# Altium PCB FMC_SDR_LFFE.PcbDoc (part 3 of 3)
Units mm, origin at the board's own origin, x right, y up, seen from the top; angles counter-clockwise.
Board outline 84.01 x 69 mm, 6 copper layers (Top, Int1 [GND], Int2 [shielded signals], Int3 [GND+PWR, Int4, Bottom), stack 1.59 mm thick; 335 components, 185 nets, 1107 pads, 416 vias.
Unrouted connection lines stored in the file: 497.
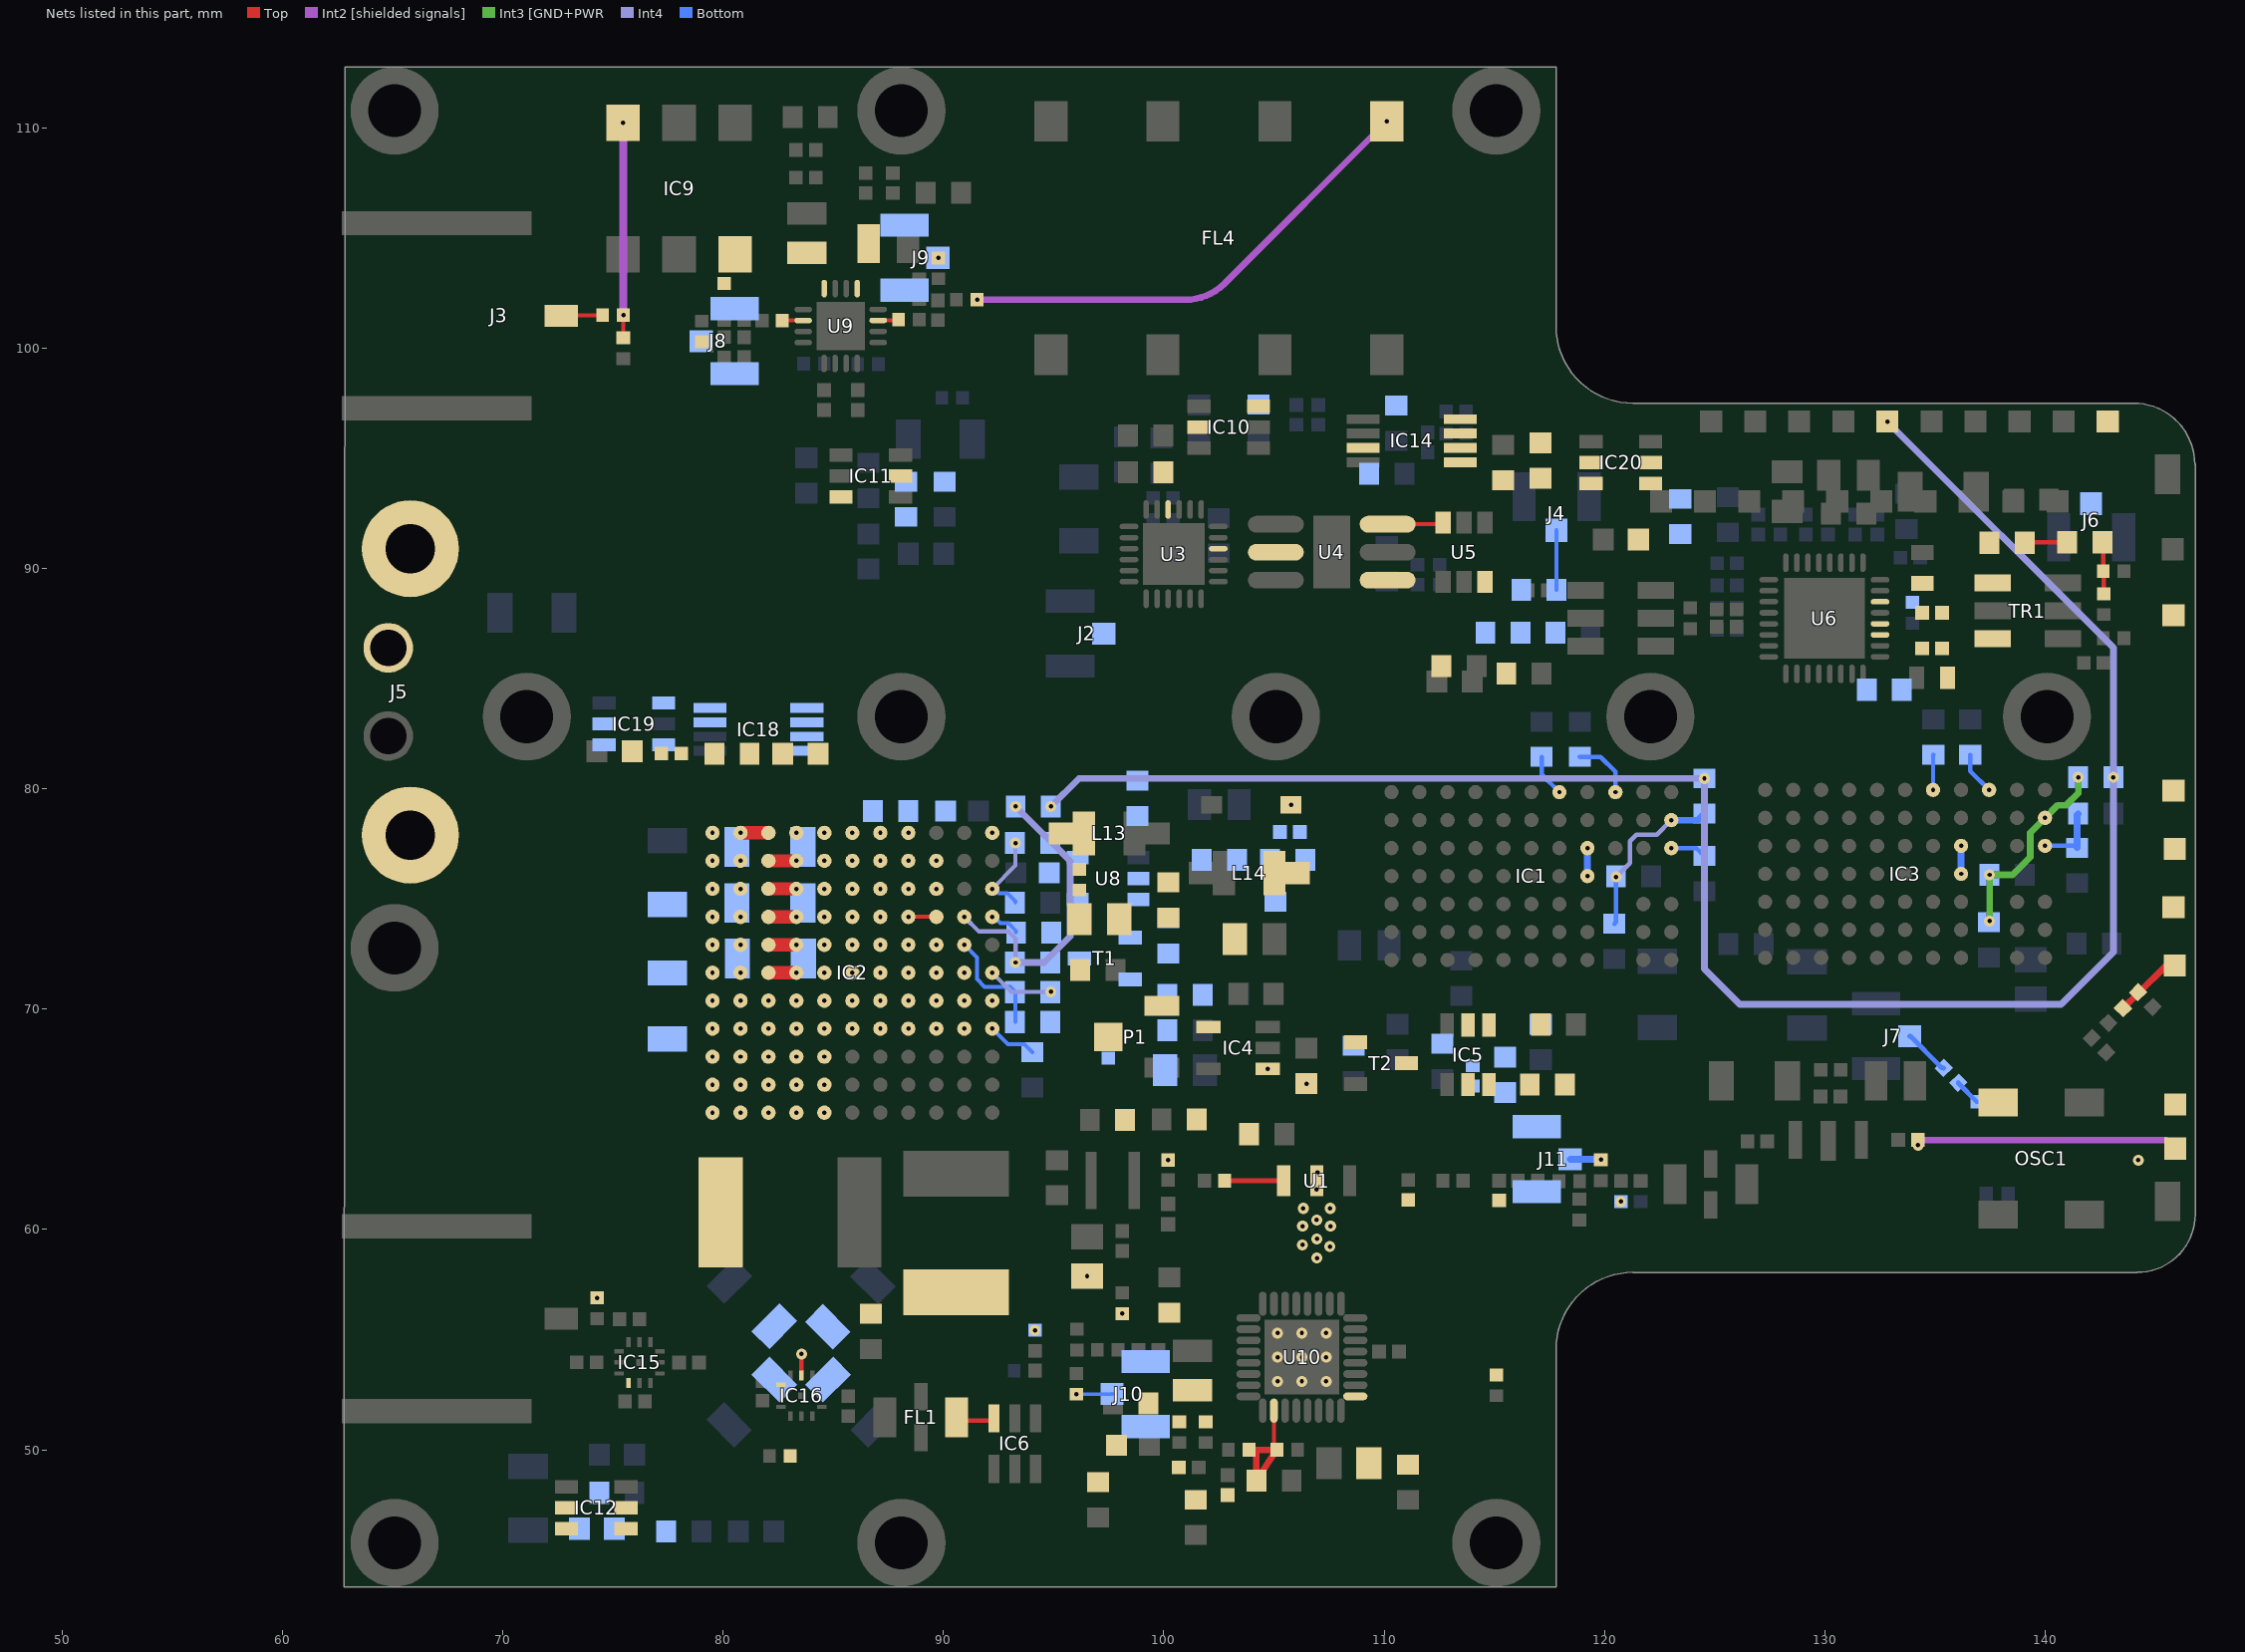
[diagram p7: the nets of this part, all layers, seen from the top]

## Via types
v1: diameter 0.5, hole 0.2, Top to Bottom, 412 vias
v2: diameter 0.6, hole 0.3, Top to Bottom, 4 vias

## Nets (pads, with @x,y where several pads share a name; then routed paths per layer and width w, separated by ;. In a path a pad name is that pad's centre, name@x,y a point inside that pad or via, vN(x,y) a via of type N, cw(c..) or ccw(c..) an arc to the next point about the centre after c; other vN are vias at no path point) (continued)
NetC186_1: C186.1 R109.1 R111.2 U8.3
NetC186_2: C186.2 L14.2 R104.1 R109.2
NetC188_1: C188.1 IC12.2
NetC188_2: C188.2 IC12.4 R107.1
NetC193_1: C193.1 IC5.2
NetC193_2: C193.2 C194.2 IC5.4 R115.1
NetC203_2: C203.2 C205.2 IC18.1 IC19.4
NetC207_1: C207.1 IC20.2
NetC207_2: C207.2 C208.2 IC20.4 R147.1
NetFL1_1: FL1.1 IC6.6 | length 1.8
  Top w0.187: FL1.1@90.594,51.475 90.744,51.325 92.2,51.325 IC6.6@92.296,51.421
NetFL4_1: FL4.1 R28.2 | length 21.8
  Int2 [shielded signals] w0.3: v1(91.525,102.2) 100.968,102.2 ccw(c100.968,104.74) 102.764,102.944 v1(110.12,110.3)
NetIC1_G7: IC1.G7 R9.1 | length 1.9
  Bottom w0.2: R9.1@117.15,81.45 117.15,80.657 v1(117.955,79.853)
NetIC1_H4: IC1.H4 IC1.H5 | length 1.3
  Bottom w0.3: v1(119.225,76.043) v1(119.225,77.313)
NetIC1_J7: IC1.J7 R8.1 | length 2.8
  Bottom w0.2: R8.1@118.875,81.45 119.825,81.45 120.495,80.78 v1(120.495,79.853)
NetIC1_L5: IC1.L5 R20.1 | length 1.7
  Bottom w0.2: v1(123.035,77.313) 123.047,77.3 124.185,77.3 R20.1@124.535,76.95
NetIC1_L6: IC1.L6 R5.1 R21.2 R52.2 | length 8
  Int4 w0.2: v1(120.525,76) 121.15,76.625 121.15,77.625 121.45,77.925 122.377,77.925 v1(123.035,78.583)
  Bottom w0.2: R5.1@120.45,73.875 120.525,73.95 v1(120.525,76) R21.2@120.525,76.025
  Bottom w0.3: v1(123.035,78.583) 124.243,78.583 R52.2@124.535,78.875
NetIC2_D1: IC2.D1 R12.1 | length 2.3
  Bottom w0.18: v1(92.215,69.114) 92.925,68.404 93.665,68.404 R12.1@94.025,68.044
NetIC2_F1: IC2.F1 R17.1 | length 3.1
  Int4 w0.18: v1(92.215,71.654) 93.075,70.794 v1(94.871,70.794)
  Bottom w0.18: v1(94.871,70.794) R17.1@94.946,70.719
NetIC2_G2: IC2.G2 R17.2 R18.2 | length 5.2
  Bottom w0.18: v1(90.945,72.924) 91.521,72.348 91.521,71.369 91.871,71.019 93.046,71.019 93.271,70.794 R18.2@93.271,69.419
NetIC2_H1: IC2.H1 R14.2 | length 1.4
  Bottom w0.18: v1(92.215,74.194) 92.301,74.194 92.591,73.904 92.936,73.904 93.296,73.544 R14.2@93.296,73.494
NetIC2_H2: IC2.H2 R16.2 R51.2 | length 13.8
  Int4 w0.2: v1(90.945,74.194) 91.614,73.525 92.95,73.525 93.271,73.204 v1(93.271,72.12)
  Int4 w0.3: v1(93.271,72.12) 94.563,72.12 95.75,73.307 95.75,76.725 v1(93.275,79.2)
  Bottom w0.18: R16.2@93.246,72.144 v1(93.271,72.12)
  Bottom w0.3: R51.2@93.275,79.15 v1(93.275,79.2) R51.2@93.283,79.2
NetIC2_J1: IC2.J1 R13.1 R15.2 | length 3.9
  Int4 w0.18: v1(92.215,75.464) 93.271,76.52 v1(93.271,77.544)
  Bottom w0.18: v1(92.215,75.464) 92.301,75.464 92.511,75.254 92.911,75.254 93.271,74.894 R13.1@93.271,74.844 ; v1(93.271,77.544) R15.2@93.29,77.563
NetIC2_L4: IC2.L4 R150.2
  other v1: 88.405,78.004
NetIC3_G7: IC3.G7 R11.1 | length 1.6
  Bottom w0.2: v1(134.915,79.953) 134.915,81.54 R11.1@134.925,81.55
NetIC3_H4: IC3.H4 IC3.H5 | length 1.3
  Bottom w0.3: v1(136.185,76.143) v1(136.185,77.413)
NetIC3_J7: IC3.J7 R10.1 | length 2
  Bottom w0.2: R10.1@136.6,81.55 136.6,80.807 v1(137.455,79.953)
NetIC3_L5: IC3.L5 R6.1 R129.2 | length 3.1
  Bottom w0.2: v1(139.995,77.413) 141.362,77.413 R6.1@141.45,77.325
  Bottom w0.3: R6.1@141.45,77.325 141.45,78.825 R129.2@141.5,78.875
NetIC3_L6: IC3.L6 R7.1 R19.2 R50.2 | length 9.1
  Int3 [GND+PWR w0.3: v1(137.475,74) v1(137.475,76.1) 138.525,76.1 139.325,76.9 139.325,78.013 v1(139.995,78.683) 140.573,79.26 140.96,79.26 141.5,79.8 v1(141.5,80.525)
  Bottom w0.2: R7.1@137.45,73.95 R7.1@137.475,73.975
NetIC4_4: IC4.4 P1.3 R22.1 R24.2
NetIC5_3: IC5.3 R143.1 T2.3
NetIC5_5: IC5.5 R113.2 R143.2
NetIC9_1: IC9.1 R46.1 R47.2 | length 9.8
  Top w0.187: R46.1@75.47,100.47 v1(75.47,101.5)
  Int2 [shielded signals] w0.357: v1(75.46,110.235) 75.465,110.23 75.465,101.505 v1(75.47,101.5)
NetIC9_4: IC9.4 R27.1 | length 0.2
  Top w0.187: R27.1@80.045,102.945 ccw(c78.85,104.14) R27.1@80.179,103.097
NetIC10_3: IC10.3 R130.2 R131.2
NetIC10_5: IC10.5 R92.2 R130.1
NetIC11_3: IC11.3 R134.2
NetIC11_5: IC11.5 R100.2 R134.1 | length 0.1
  Top w0.254: IC11.5@88.05,94.204 cw(c88.12,94.204) IC11.5@88.12,94.274
NetIC12_3: IC12.3 IC12.5 R106.2
NetIC14_7: IC14.7 R133.1
NetIC14_8: IC14.8 R132.1
NetIC16_5: IC16.5 R66.1 R67.1 R68.1 R69.1 | length 1
  Top w0.187: IC16.5@83.55,53.375 83.55,54.353 v1(83.554,54.353)
NetIC18_3: IC18.3 R142.1
NetIC20_3: IC20.3 R148.2 R149.2
NetIC20_5: IC20.5 R146.2 R148.1
NetJ3_1: J3.1 R47.1 | length 1.9
  Top w0.187: J3.1@72.65,101.475 72.675,101.5 R47.1@74.53,101.5
NetJ4_1: J4.1 R87.1 | length 2.7
  Bottom w0.187: R87.1@117.828,89.04 J4.1@117.828,91.736
NetJ6_1: J6.1 R90.1
NetJ7_1: J7.1 R1.1 | length 2.1
  Bottom w0.22: J7.1@133.85,68.775 133.875,68.775 135.228,67.422 135.228,67.409 135.222,67.403 ccw(c135.393,67.573) R1.1@135.393,67.332
NetJ8_1: J8.1 R25.1
NetJ9_1: J9.1 R26.1 | length 0
  Top w0.3: v1(89.762,104.108) R26.1@89.775,104.095
  Bottom w0.3: J9.1@89.75,104.108 v1(89.762,104.108)
NetJ10_1: J10.1 R30.1 | length 1.6
  Bottom w0.18: v1(96.031,52.525) 97.64,52.525 J10.1@97.65,52.535
NetJ11_1: J11.1 R29.1 | length 1.4
  Bottom w0.3: J11.1@118.445,63.189 118.449,63.184 v1(119.836,63.184)
NetL2_1: L2.1 U1.3 | length 2.7
  Top w0.22: L2.1@102.76,62.214 U1.3@105.441,62.214
NetL3_2: L3.2 U9.16
NetL4_2: L4.2 U9.13
NetL13_1: L13.1 R137.2 R139.2 U8.5
NetL17_2: L17.2 U9.2 | length 1
  Top w0.187: L17.2@82.68,101.26 U9.2@83.634,101.26
NetL21_1: L21.1 R77.1 R80.2 R81.2 | length 1.2
  Top w0.187: L21.1@101.3,52.71 L21.1@102.104,52.71 ; R80.2@101.9,51.27 101.9,51.45 R80.2@102.104,51.45
NetOSC1_3: OSC1.3 R2.1
NetP1_2: P1.2 R23.2
NetR33_2: R33.2 R64.2
  other v1: 74.275,56.895
NetR35_2: R35.2 R38.2 R89.1 | length 2.4
  Top w0.187: R89.1@142.597,91.191 142.64,91.149 R38.2@142.64,89.886 142.66,89.866 R35.2@142.66,88.856
NetR58_1: R58.1 U9.11 | length 0.9
  Top w0.187: U9.11@87.034,101.26 87.863,101.26 ccw(c87.863,101.397) R58.1@87.96,101.3
NetR70_1: R70.1 U5.6
NetR70_2: R70.2 R84.1 R87.2
NetR73_2: R73.2 R78.2 R79.2 U10.26 | length 6.1
  Top w0.187: R79.2@104.996,50 U10.26@104.996,51.78
  Top w0.3: R78.2@103.87,50 104.2,50 ; 104.2,50 R73.2@104.2,48.6 R79.2@105.13,50 104.996,50 104.2,50
NetR94_2: R94.2 R141.2 T1.1
NetR139_1: R139.1 T1.3 U8.4
NetR144_2: R144.2 R145.2 T2.1
NetU3_16: U3.16 U4.2
NetU4_6: U4.6 U5.3 | length 2.5
  Top w0.187: U4.6@110.161,92.014 112.591,92.014 U5.3@112.671,92.094
PA_GND: C4.1 C5.1 C6.1 C7.1 C8.1 C9.1 C11.1 C12.1 C19.1 C20.1 C21.1 C163.1 C164.1 C165.1 C166.1 C168.1 C182.1 C183.1 C185.1 C187.1 C203.1 C205.1 D1.1 IC2.A7 IC2.A8 IC2.A9 IC2.A10 IC2.A11 IC2.B7 IC2.B8 IC2.B9 IC2.B10 IC2.B11 IC2.C7 IC2.C8 IC2.C9 IC2.C10 IC2.C11 IC2.D2 IC2.D3 IC2.D4 IC2.D5 IC2.D6 IC2.D7 IC2.D8 IC2.D9 IC2.D10 IC2.D11 IC2.E1 IC2.E2 IC2.E3 IC2.E4 IC2.E5 IC2.E6 IC2.E7 IC2.E8 IC2.E9 IC2.E10 IC2.E11 IC2.F2 IC2.F3 IC2.F4 IC2.F5 IC2.F6 IC2.F7 IC2.F8 IC2.F9 IC2.G3 IC2.G4 IC2.G5 IC2.G6 IC2.G7 IC2.G8 IC2.G9 IC2.H3 IC2.H4 IC2.H5 IC2.H6 IC2.H7 IC2.H8 IC2.H9 IC2.J3 IC2.J4 IC2.J5 IC2.J6 IC2.J7 IC2.J8 IC2.J9 IC2.K3 IC2.K4 IC2.K5 IC2.K6 IC2.K7 IC2.K8 IC2.K9 IC2.L1 IC2.L5 IC2.L6 IC2.L7 IC2.L8 IC4.1 IC18.4 IC19.1 J5.B J5.M1 J5.M2 J8.2 J9.2 J10.2 J11.2 R14.1 R15.1 R16.1 R18.1 R23.1 R24.1 R32.1 R42.2 R45.2 R83.1 R111.1 R114.2 R136.2 R138.2 R140.2 R141.1 R142.2 R151.2 R152.2 R153.2 R154.2 T1.2 U1.2 U8.2 U10.1 | length 7.6
  Top w0.18: v1(88.405,74.194) IC2.H3@89.675,74.194
  Top w0.6: IC2.F9@82.055,71.654 v1(83.325,71.654) ; IC2.G9@82.055,72.924 v1(83.325,72.924) ; IC2.H9@82.055,74.194 v1(83.325,74.194) ; IC2.J9@82.055,75.464 v1(83.325,75.464) ; IC2.K9@82.055,76.734 v1(83.325,76.734)
  other v1: 105.166,53.105 106.266,53.105 107.366,53.105 105.166,54.205 106.266,54.205 107.366,54.205 105.166,55.305 106.266,55.305 107.366,55.305 94.15,55.427 98.117,56.18 96.517,57.88 106.95,58.703 107.536,59.225 106.294,59.3 106.95,59.575 106.3,60.15 107.566,60.15 106.941,60.432 106.325,60.96 107.55,60.96 120.745,61.269 106.941,61.814 106.975,62.6 100.2,63.15 79.515,65.304 80.785,65.304 82.055,65.304 83.325,65.304 84.595,65.304 79.515,66.574 80.785,66.574 82.055,66.574 83.325,66.574 84.595,66.574 106.471,66.619 104.721,67.294 79.515,67.844 80.785,67.844 82.055,67.844 83.325,67.844 84.595,67.844 79.515,69.114 80.785,69.114 82.055,69.114 83.325,69.114 84.595,69.114 85.865,69.114 87.135,69.114 88.405,69.114 89.675,69.114 90.945,69.114 79.515,70.384 80.785,70.384 82.055,70.384 83.325,70.384 84.595,70.384 85.865,70.384 87.135,70.384 88.405,70.384 89.675,70.384 90.945,70.384 92.215,70.384 84.595,71.654 85.865,71.654 87.135,71.654 88.405,71.654 89.675,71.654 90.945,71.654 84.595,72.924 85.865,72.924 87.135,72.924 88.405,72.924 89.675,72.924 84.595,74.194 85.865,74.194 87.135,74.194 84.595,75.464 85.865,75.464 87.135,75.464 88.405,75.464 89.675,75.464 84.595,76.734 85.865,76.734 87.135,76.734 88.405,76.734 89.675,76.734 83.325,78.004 84.595,78.004 85.865,78.004 87.135,78.004 92.215,78.004 105.774,79.277
PA_MONITOR: BSC3.1 R41.2 R44.2 | length 3.2
  Top w0.3: R41.2@143.532,70.042 R44.2@144.243,70.742 ; R44.2@144.218,70.767 R44.2@144.243,70.742 ; BSC3.1@145.875,71.978 145.873,71.98 145.5,71.98 R44.2@144.243,70.742
PA_PS_IN: C4.2 C5.2 C6.2 C7.2 C169.2 C185.2 IC2.F10 IC2.F11 IC2.G10 IC2.G11 IC2.H10 IC2.H11 IC2.J10 IC2.J11 IC2.K10 IC2.K11 IC2.L9 IC2.L10 IC2.L11 IC19.3 IC19.5 R103.2 R116.2 R137.1 | length 1.3
  Top w0.6: v1(80.785,78.004) IC2.L9@82.055,78.004
  other v1: 79.515,71.654 80.785,71.654 79.515,72.924 80.785,72.924 79.515,74.194 80.785,74.194 79.515,75.464 80.785,75.464 79.515,76.734 80.785,76.734 79.515,78.004
PLLout_N: C104.1 L11.1 U6.12
PLLout_P: C107.1 L12.1 U6.11
RFOUTB: R4.1 U6.14
RX_LO: BSC7.1 U4.4
SYNC_DCDC: BSC21.1 R50.1 R51.1 R52.1 | length 87.4
  Top w0.3: v1(132.84,96.665) BSC21.1@132.84,96.672
  Int4 w0.3: v1(94.875,79.2) 96.15,80.475 v1(124.535,80.475) 124.535,71.831 126.145,70.222 140.722,70.222 143.1,72.6 143.1,86.405 v1(132.84,96.665)
  Bottom w0.3: v1(94.875,79.2) R51.1@94.875,79.25
  other v1: 143.1,80.525
TX_IN: BSC1.1 C177.1 | length 11.4
  Int2 [shielded signals] w0.3: v1(134.232,63.828) 134.232,63.881 134.407,64.056 145.477,64.056 145.488,64.045
  other v1: 144.225,63.15
TX_LO: BSC9.1 R89.2 R90.2 | length 1.9
  Top w0.187: R90.2@139.072,91.173 139.091,91.191 R89.2@140.997,91.191
TX_SHDN: BSC16.1 IC14.3 R144.1
TX_SHDN_ISO: IC18.2 R94.1 R150.1
TX_SHDND_N: IC14.5 IC18.8
TX_SHDND_P: IC14.6 IC18.7
TXLO_N: C104.2 TR1.6
TXLO_P: C107.2 TR1.4
TXNRX: BSC4.1 IC15.7 IC16.7
VCO_Vtune: BSC14.1 J2.1 U3.22
XTAL_OUT: BSC2.1 R1.2 R2.2 | length 1.2
  Bottom w0.22: R1.2@136.057,66.668 ccw(c136.117,66.668) 136.075,66.625 R2.2@136.9,65.8
pads on no net: B5.1 B8.1 B9.1 B10.1 B11.1 B13.1 B15.1 B16.1 B28.1 B29.1 B30.1 B31.1 BSC8_1.1 BSC10_1.1 BSC13_1.1 FL4.3 FL4.4 FL4.5 FL4.6 FL4.7 IC1.H7 IC1.K3 IC1.K7 IC1.L3 IC2.G1 IC2.K2 IC2.L2 IC2.L3 IC3.H7 IC3.K3 IC3.K7 IC3.L3 IC5.6 IC10.6 IC11.6 IC12.6 IC14.2 IC18.5 IC18.6 IC19.2 IC19.6 IC20.6 OSC1.1 U3.1 U3.2 U3.3 U3.4 U3.5 U3.6 U3.7 U3.8 U3.9 U3.10 U3.11 U3.12 U3.13 U3.14 U3.17 U3.18 U3.19 U3.21 U3.23 U3.24 U3.25 U4.7 U5.1 U5.4 U6.22 U9.3 U9.4 U9.6 U9.7 U9.9 U9.10 U9.12 U9.14 U9.15 U9.17 U10.2 U10.3 U10.4 U10.6 U10.7 U10.8 U10.9 U10.10 U10.11 U10.12 U10.13 U10.14 U10.15 U10.16 U10.17 U10.18 U10.19 U10.21 U10.22 U10.23 U10.24 U10.25 U10.27 U10.28 U10.29 U10.30 U10.31 U10.32 U10.33
copper on no net:
  other v1: 92.215,72.924 121.765,74.773 123.035,74.773 138.725,74.873 139.995,74.873 90.945,76.734 89.675,78.004 90.945,78.004 119.225,79.853 121.765,79.853 136.185,79.953 138.725,79.953 99.896,90.107 100.996,90.107 99.896,91.207 100.996,91.207

## Polygon pours and split planes (outlines as drawn)
GND on Int3 [GND+PWR "L2GND" (hatched 90Degree grid 0.5 track 0.2, pour order 85): 146.438,94.823 ccw(c143.872,94.823) 145.686,96.639 ccw(c143.891,94.843) 143.89,97.382 120.52,97.382 cw(c120.52,99.922) 118.724,98.126 118.169,98.681 cw(c119.965,100.477) 117.425,100.477 117.425,112.627 cw(c117.453,112.655) 117.413,112.655 117.413,112.874 62.738,112.876 62.7,43.667 117.381,43.667 117.381,54.84 cw(c120.497,54.84) 118.293,57.043 118.565,57.315 cw(c120.702,55.178) 120.702,58.2 143.873,58.2 ccw(c143.873,60.74) 145.669,58.944 145.7,58.975 ccw(c143.918,60.758) 146.438,60.758
PA_GND on Int3 [GND+PWR "Int1 [GND]-PA_GND" (hatched 45Degree grid 0.508 track 0.203, pour order 83): 77.145,58.101 ccw(c79.685,58.101) 79.685,55.561 91.264,55.561 cw(c91.264,51.13) 95.695,51.13 95.695,48.985 ccw(c98.235,48.985) 98.235,46.445 109.31,46.445 ccw(c109.31,48.985) 111.85,48.985 111.85,51.385 cw(c114.39,51.385) 114.39,53.925 114.722,53.925 ccw(c114.722,55.608) 116.405,55.608 116.405,62.81 ccw(c115.315,62.81) 115.315,63.9 111.015,63.9 cw(c111.015,66.44) 108.475,66.44 108.475,78.035 ccw(c105.935,78.035) 105.935,80.575 79.685,80.575 ccw(c79.685,78.035) 77.145,78.035
NetC3_2 on Int3 [GND+PWR "Int3 [GND+PWR -FE_5V5" (solid, pour order 81): 110,76.414 110,71.744 114.5,71.744 114.5,76.414
NetC1_2 on Int3 [GND+PWR "Int3 [GND+PWR -FE_5V5 1" (solid, pour order 77): 121.5,73.927 121.5,71.925 126.709,71.925 126.709,73.927
FE_5V5 on Int3 [GND+PWR "Int3 [GND+PWR -FE_5V5 2" (solid, pour order 73): 126.945,76.5 126.945,72 131.5,72 131.5,76.5
PA_PS_IN on Int3 [GND+PWR "Bottom-No Net" (solid, pour order 71): 79.225,71.312 81.375,71.312 81.375,78.301 79.225,78.301
FE_PA_VDD on Int3 [GND+PWR "FE_PA_VDD_L04_P059" (solid, pour order 59): 85.575,68.176 85.575,64.926 92.575,64.926 92.575,68.176
GND on Int4 "L2GND" (hatched 45Degree grid 0.5 track 0.2, pour order 97): 146.438,94.698 ccw(c143.872,94.698) 145.686,96.514 ccw(c143.891,94.718) 143.89,97.257 120.52,97.257 cw(c120.52,99.797) 118.724,98.001 118.169,98.556 cw(c119.965,100.352) 117.425,100.352 117.425,112.502 cw(c117.453,112.53) 117.413,112.53 117.413,112.749 62.738,112.751 62.7,43.542 117.381,43.542 117.381,54.715 cw(c120.497,54.715) 118.293,56.918 118.565,57.19 cw(c120.702,55.053) 120.702,58.075 143.873,58.075 ccw(c143.873,60.615) 145.669,58.819 145.7,58.85 ccw(c143.918,60.633) 146.438,60.633
PA_GND on Int4 "Int4-PA_GND" (hatched 90Degree grid 0.508 track 0.203, pour order 87): 62.75,68.15 68.485,68.15 cw(c68.485,59.7) 76.935,59.7 ccw(c81.135,59.7) 81.135,55.5 91.585,55.5 cw(c91.586,51.485) 95.6,51.485 95.6,48.99 ccw(c98.14,48.99) 98.14,46.45 109.285,46.45 ccw(c109.285,48.99) 111.825,48.99 111.825,51.45 cw(c114.365,51.45) 114.365,53.99 115.088,53.99 ccw(c115.088,55.277) 116.375,55.277 116.375,62.175 ccw(c114.522,62.175) 114.522,64.028 111.107,64.028 cw(c111.107,66.568) 108.567,66.568 108.567,78.207 ccw(c106.027,78.207) 106.027,80.747 84.965,80.747 cw(c83.321,88.194) 75.875,86.55 ccw(c66.145,85.938) 65.533,95.667 62.75,95.667
NetC10_2 on Int4 "Int3 [GND+PWR -NetC10_2" (solid, pour order 49): 138.475,71.535 139.991,71.535 ccw(c139.991,72.22) 140.675,72.22 140.675,76.24 ccw(c138.135,76.24) 139.931,78.036 135.293,82.674 ccw(c134.988,82.369) 134.988,82.8 134.706,82.8 cw(c134.706,83.824) 133.981,83.1 ccw(c133.619,82.738) 133.619,83.25 133.231,83.25 ccw(c133.231,82.994) 133.05,83.175 132.694,82.819 ccw(c133.163,82.35) 132.5,82.35 ccw(c133.103,82.35) 132.676,81.924 132.958,81.642 cw(c132.315,81) 133.224,81 133.224,80.821 ccw(c135.505,80.821) 133.892,79.208 136.444,76.656 cw(c134.859,75.072) 137.1,75.072 137.1,72.91 ccw(c138.475,72.91)
EXTERNAL_PS on Int4 "Int3 [GND+PWR -No Net" (solid, pour order 55): 64.534,81.347 66.622,81.347 ccw(c66.622,83.65) 68.925,83.65 cw(c70.675,83.65) 70.675,85.4 ccw(c70.675,86.221) 71.496,86.221 71.496,90.827 ccw(c70.609,90.623) 70.4,91.509 69.49,91.509 ccw(c69.312,90.583) 68.4,90.827 cw(c66.329,90.623) 66.533,88.552 ccw(c66.972,87.561) 65.96,87.173 65.96,86.56 cw(c64.6,86.56) 64.6,85.2 ccw(c64.6,84.224) 63.624,84.224 63.624,82.341 ccw(c64.675,82.341) 64.675,81.29
NetC10_2 on Int4 "Int3 [GND+PWR -No Net 2" (solid, pour order 53): 72.725,90.159 77.204,90.159 cw(c77.204,88.336) 78.493,89.625 78.8,89.318 ccw(c80.05,90.567) 80.05,88.8 cw(c79.567,88.317) 80.25,88.317 80.25,87.716 cw(c79.909,87.716) 80.15,87.475 79.934,87.259 cw(c79.55,87.643) 79.55,87.1 ccw(c79.55,85.754) 78.598,86.706 78.01,86.117 cw(c77.365,86.762) 77.365,85.85 72.623,85.85 cw(c72.623,85.966) 72.542,85.884 cw(c72.542,86.225) 72.2,86.225 72.2,89.634 cw(c72.725,89.634)
GND on Int2 [shielded signals] "L2GND" (hatched 45Degree grid 0.5 track 0.2, pour order 107): 146.313,94.948 ccw(c143.747,94.948) 145.561,96.764 ccw(c143.766,94.968) 143.765,97.507 120.395,97.507 cw(c120.395,100.047) 118.599,98.251 118.044,98.806 cw(c119.84,100.602) 117.3,100.602 117.3,112.752 cw(c117.328,112.78) 117.288,112.78 117.288,112.999 62.613,113.001 62.575,43.792 117.256,43.792 117.256,54.965 cw(c120.372,54.965) 118.168,57.168 118.44,57.44 cw(c120.577,55.303) 120.577,58.325 143.748,58.325 ccw(c143.748,60.865) 145.544,59.069 145.575,59.1 ccw(c143.793,60.883) 146.313,60.883
PA_GND on Int2 [shielded signals] "Int1 [GND]-PA_GND" (hatched 90Degree grid 0.508 track 0.203, pour order 105): 77.07,58.101 ccw(c79.61,58.101) 79.61,55.561 91.229,55.561 cw(c91.229,51.17) 95.62,51.17 95.62,48.985 ccw(c98.16,48.985) 98.16,46.445 109.235,46.445 ccw(c109.235,48.985) 111.775,48.985 111.775,51.385 cw(c114.315,51.385) 114.315,53.925 114.647,53.925 ccw(c114.647,55.608) 116.33,55.608 116.33,62.81 ccw(c115.24,62.81) 115.24,63.9 110.94,63.9 cw(c110.94,66.44) 108.4,66.44 108.4,78.035 ccw(c105.86,78.035) 105.86,80.575 79.61,80.575 ccw(c79.61,78.035) 77.07,78.035
GND on Int1 [GND] "L2GND" (hatched 90Degree grid 0.5 track 0.2, pour order 103): 146.563,94.848 ccw(c143.997,94.848) 145.811,96.664 ccw(c144.016,94.868) 144.015,97.407 120.645,97.407 cw(c120.645,99.947) 118.849,98.151 118.294,98.706 cw(c120.09,100.502) 117.55,100.502 117.55,112.652 cw(c117.578,112.68) 117.538,112.68 117.538,112.899 62.863,112.901 62.825,43.692 117.506,43.692 117.506,54.865 cw(c120.622,54.865) 118.418,57.068 118.69,57.34 cw(c120.827,55.203) 120.827,58.225 143.998,58.225 ccw(c143.998,60.765) 145.794,58.969 145.825,59 ccw(c144.043,60.783) 146.563,60.783
PA_GND on Int1 [GND] "Int1 [GND]-PA_GND" (hatched 45Degree grid 0.508 track 0.203, pour order 101): 76.995,58.101 ccw(c79.535,58.101) 79.535,55.561 91.443,55.561 cw(c91.443,51.458) 95.545,51.458 95.545,48.985 ccw(c98.085,48.985) 98.085,46.445 109.16,46.445 ccw(c109.16,48.985) 111.7,48.985 111.7,51.385 cw(c114.24,51.385) 114.24,53.925 114.572,53.925 ccw(c114.572,55.608) 116.255,55.608 116.255,62.81 ccw(c115.165,62.81) 115.165,63.9 110.865,63.9 cw(c110.865,66.44) 108.325,66.44 108.325,78.035 ccw(c105.785,78.035) 105.785,80.575 79.535,80.575 ccw(c79.535,78.035) 76.995,78.035
GND on Bottom "Bottom-GND" (solid, pour order 123): 115.886,43.775 117.9,43.775 117.9,54.585 cw(c121.265,54.585) 121.265,57.95 144.36,57.95 ccw(c144.36,60.49) 146.9,60.49 146.9,95.06 ccw(c144.36,95.06) 144.36,97.6 121.286,97.6 cw(c121.286,100.986) 117.9,100.986 117.9,112.776 116.228,112.776 116.228,95.934 143.291,95.934 cw(c143.291,94.05) 145.175,94.05 145.175,61.575 cw(c143.45,61.575) 143.45,59.85 118.422,59.85 ccw(c118.422,57.338) 118.313,59.848 115.875,59.848 115.875,56.246

## Keep-outs
Keep-Out Layer:
  lines w0.2: 121.3,58.05 144.18,58.05 ; 121.3,58.055 ccw(c121.3,54.555) 117.8,54.555 117.8,43.775 62.8,43.775 62.838,112.776 117.8,112.776 117.8,101.005 ccw(c121.3,101.005) 121.3,97.505 ; 121.3,97.507 144.019,97.507 cw(c144.019,94.733) 146.793,94.733 ; 144.18,58.055 ccw(c144.18,60.688) 146.813,60.688 146.813,94.733

## Other copper
Top:
  rectangle: 63,106.874 67.701,112.78
  rectangle: 62.838,43.78 66.838,50.765
  rectangle: 72.35,82.788 145.438,83.688
  region: 67.674,111.865 114.429,111.865 cw(c114.429,110.238) 115.58,111.388 cw(c114.599,110.407) 115.986,110.407 115.986,104.23 116.886,104.231 116.886,111.32 ccw(c115.46,111.32) 116.469,112.328 ccw(c115.426,111.286) 115.426,112.76 67.676,112.76
  region: 115.889,51.521 115.889,46.353 cw(c114.263,46.353) 115.413,45.202 cw(c114.432,46.183) 114.432,44.796 73.542,44.796 73.543,43.896 115.345,43.896 ccw(c115.345,45.322) 116.353,44.313 ccw(c115.31,45.356) 116.785,45.356 116.785,51.52
  region: 73.764,44.771 65.313,44.771 cw(c65.313,46.397) 64.163,45.247 cw(c65.144,46.228) 63.756,46.228 63.756,50.722 62.856,50.72 62.856,45.315 ccw(c64.282,45.315) 63.274,44.307 ccw(c64.316,45.35) 64.316,43.875 73.762,43.875
Bottom:
  region net NetIC16_5: 83.578,52.682 85.263,54.426 83.447,56.18 81.762,54.436

## Silkscreen, mask and mechanical layers (free items; w line width, h text height)
Top Solder:
  rectangle: 143.025,60.389 146.925,95.389
  rectangle: 117.743,57.875 144.475,97.675
  rectangle: 62.738,43.7 118.009,112.876
  region: 117.925,57.95 121.258,57.95 ccw(c121.258,54.671) 118.94,56.99 118.887,56.937 ccw(c121.21,54.614) 117.925,54.614
  region: 117.9,97.625 121.233,97.625 cw(c121.233,100.904) 118.915,98.585 118.894,98.606 cw(c121.294,101.006) 117.9,101.006
  region: 146.925,95.175 ccw(c144.752,95.175) 146.289,96.711 145.95,97.05 ccw(c144.62,95.72) 144.62,97.601 143.825,97.601 143.825,95.175
  region: 144.325,57.975 ccw(c144.325,60.51) 146.117,58.717 146.35,58.95 ccw(c144.962,60.338) 146.925,60.338 146.925,61.225 144.325,61.225
  region: 146.825,95.1
  region: 85.925,91.35
Bottom Solder:
  rectangle: 62.738,43.675 118.009,112.851
  rectangle: 117.743,57.85 144.475,97.65
  rectangle: 143.025,60.364 146.925,95.364
  region: 117.925,57.925 121.258,57.925 ccw(c121.258,54.646) 118.94,56.964 118.887,56.912 ccw(c121.21,54.589) 117.925,54.589
  region: 117.9,97.6 121.233,97.6 cw(c121.233,100.879) 118.915,98.56 118.894,98.581 cw(c121.294,100.981) 117.9,100.981
  region: 146.925,95.15 ccw(c144.752,95.15) 146.289,96.686 145.95,97.025 ccw(c144.62,95.695) 144.62,97.576 143.825,97.576 143.825,95.15
  region: 144.325,57.95 ccw(c144.325,60.485) 146.117,58.692 146.35,58.925 ccw(c144.962,60.313) 146.925,60.313 146.925,61.2 144.325,61.2
  region: 146.825,95.075
  region: 85.925,91.325
  region: 14.5,100
Mechanical 1:
  lines w0.1: 62.838,43.78 62.838,112.78
  lines w0.254: 117.825,43.78 117.825,54.47 ; 117.825,54.52 cw(c121.36,54.52) 121.36,58.055 144.525,58.055 ; 117.825,100.872 117.825,112.73 ; 117.825,101.023 ccw(c121.325,101.023) 121.325,97.523 ; 117.825,112.78 62.838,112.78 62.838,43.78 117.85,43.78 ; 121.174,97.523 144.325,97.523 cw(c144.325,95.023) 146.825,95.023 ; 144.325,58.055 ccw(c144.325,60.555) 146.825,60.555 ; 146.825,60.505 146.825,95.15

## Text inside footprints (layer, text, board x,y; h text height)
FL1: Drill Drawing "Filled and" at 91.369,51.275 h0.5 r180; Drill Drawing "capped via" at 91.419,52.025 h0.5 r180
FL2: Drill Drawing "Filled and" at 127.225,61.85 h0.5 r180; Drill Drawing "capped via" at 127.275,62.6 h0.5 r180
IC1: Mechanical 14 "6" at 108.811,78.456 h0.4 r90; Mechanical 14 "5" at 108.811,77.186 h0.4 r90; Mechanical 14 "4" at 108.811,75.916 h0.4 r90; Mechanical 14 "7" at 108.811,79.726 h0.4 r90; Mechanical 14 "3" at 108.811,74.646 h0.4 r90; Mechanical 14 "2" at 108.811,73.376 h0.4 r90; Mechanical 14 "1" at 108.811,72.106 h0.4 r90; Mechanical 14 "J" at 120.622,70.963 h0.4 r90; Mechanical 14 "A" at 110.462,70.963 h0.4 r90; Mechanical 14 "B" at 111.732,70.963 h0.4 r90; Mechanical 14 "C" at 113.002,70.963 h0.4 r90; Mechanical 14 "D" at 114.272,70.963 h0.4 r90; Mechanical 14 "E" at 115.542,70.963 h0.4 r90; Mechanical 14 "F" at 116.812,70.963 h0.4 r90; Mechanical 14 "G" at 118.082,70.963 h0.4 r90; Mechanical 14 "H" at 119.352,70.963 h0.4 r90; Mechanical 14 "K" at 121.892,70.963 h0.4 r90; Mechanical 14 "L" at 123.162,70.963 h0.4 r90
IC2: Mechanical 14 "9" at 82.117,63.807 h0.4 r180; Mechanical 14 "1" at 92.277,63.807 h0.4 r180; Mechanical 14 "2" at 91.007,63.807 h0.4 r180; Mechanical 14 "3" at 89.737,63.807 h0.4 r180; Mechanical 14 "4" at 88.467,63.807 h0.4 r180; Mechanical 14 "5" at 87.197,63.807 h0.4 r180; Mechanical 14 "6" at 85.927,63.807 h0.4 r180; Mechanical 14 "7" at 84.657,63.807 h0.4 r180; Mechanical 14 "8" at 83.387,63.807 h0.4 r180; Mechanical 14 "10" at 80.847,63.807 h0.4 r180; Mechanical 14 "11" at 79.577,63.807 h0.4 r180; Mechanical 14 "F" at 93.966,71.846 h0.4 r180; Mechanical 14 "E" at 93.966,70.576 h0.4 r180; Mechanical 14 "D" at 93.966,69.306 h0.4 r180; Mechanical 14 "G" at 93.966,73.116 h0.4 r180; Mechanical 14 "C" at 93.966,68.036 h0.4 r180; Mechanical 14 "B" at 93.966,66.766 h0.4 r180; Mechanical 14 "A" at 93.966,65.496 h0.4 r180; Mechanical 14 "H" at 93.966,74.386 h0.4 r180; Mechanical 14 "I" at 93.891,75.656 h0.4 r180; Mechanical 14 "J" at 94.02,76.951 h0.4 r180; Mechanical 14 "K" at 94.02,78.221 h0.4 r180
IC3: Mechanical 14 "6" at 125.771,78.556 h0.4 r90; Mechanical 14 "5" at 125.771,77.286 h0.4 r90; Mechanical 14 "4" at 125.771,76.016 h0.4 r90; Mechanical 14 "7" at 125.771,79.826 h0.4 r90; Mechanical 14 "3" at 125.771,74.746 h0.4 r90; Mechanical 14 "2" at 125.771,73.476 h0.4 r90; Mechanical 14 "1" at 125.771,72.206 h0.4 r90; Mechanical 14 "J" at 137.582,71.063 h0.4 r90; Mechanical 14 "A" at 127.422,71.063 h0.4 r90; Mechanical 14 "B" at 128.692,71.063 h0.4 r90; Mechanical 14 "C" at 129.962,71.063 h0.4 r90; Mechanical 14 "D" at 131.232,71.063 h0.4 r90; Mechanical 14 "E" at 132.502,71.063 h0.4 r90; Mechanical 14 "F" at 133.772,71.063 h0.4 r90; Mechanical 14 "G" at 135.042,71.063 h0.4 r90; Mechanical 14 "H" at 136.312,71.063 h0.4 r90; Mechanical 14 "K" at 138.852,71.063 h0.4 r90; Mechanical 14 "L" at 140.122,71.063 h0.4 r90
J1: Drill Drawing "r0.6" at 70.114,53.717 h1 r180; Drill Drawing "8.6" at 67.888,57.559 h1 r180; Drill Drawing "7.1" at 64.761,56.194 h1 r270; Mechanical 8 "2.5mm" at 64.65,54.7 h1 r180; Mechanical 8 "3mm" at 59.6,54.675 h1 r180
J3: Drill Drawing "r0.6" at 70.114,99.242 h1 r180; Drill Drawing "8.6" at 67.888,103.084 h1 r180; Drill Drawing "7.1" at 64.761,101.719 h1 r270; Mechanical 8 "2.5mm" at 64.65,100.225 h1 r180; Mechanical 8 "3mm" at 59.6,100.2 h1 r180
J5: Top Overlay "A" at 67.1,82.1 h0.8 r90; Top Overlay "B" at 67.1,86.1 h0.8 r90